# Altium PCB TinyShuffle v.0b.PcbDoc (part 2 of 2)
Units mm, origin at the board's own origin, x right, y up, seen from the top; angles counter-clockwise.
Board outline 40 x 90 mm, 4 copper layers (Top Layer, GND, VCC, Bottom Layer), stack 1.561 mm thick; 110 components, 55 nets, 394 pads, 331 vias.
Unrouted connection lines stored in the file: 21.
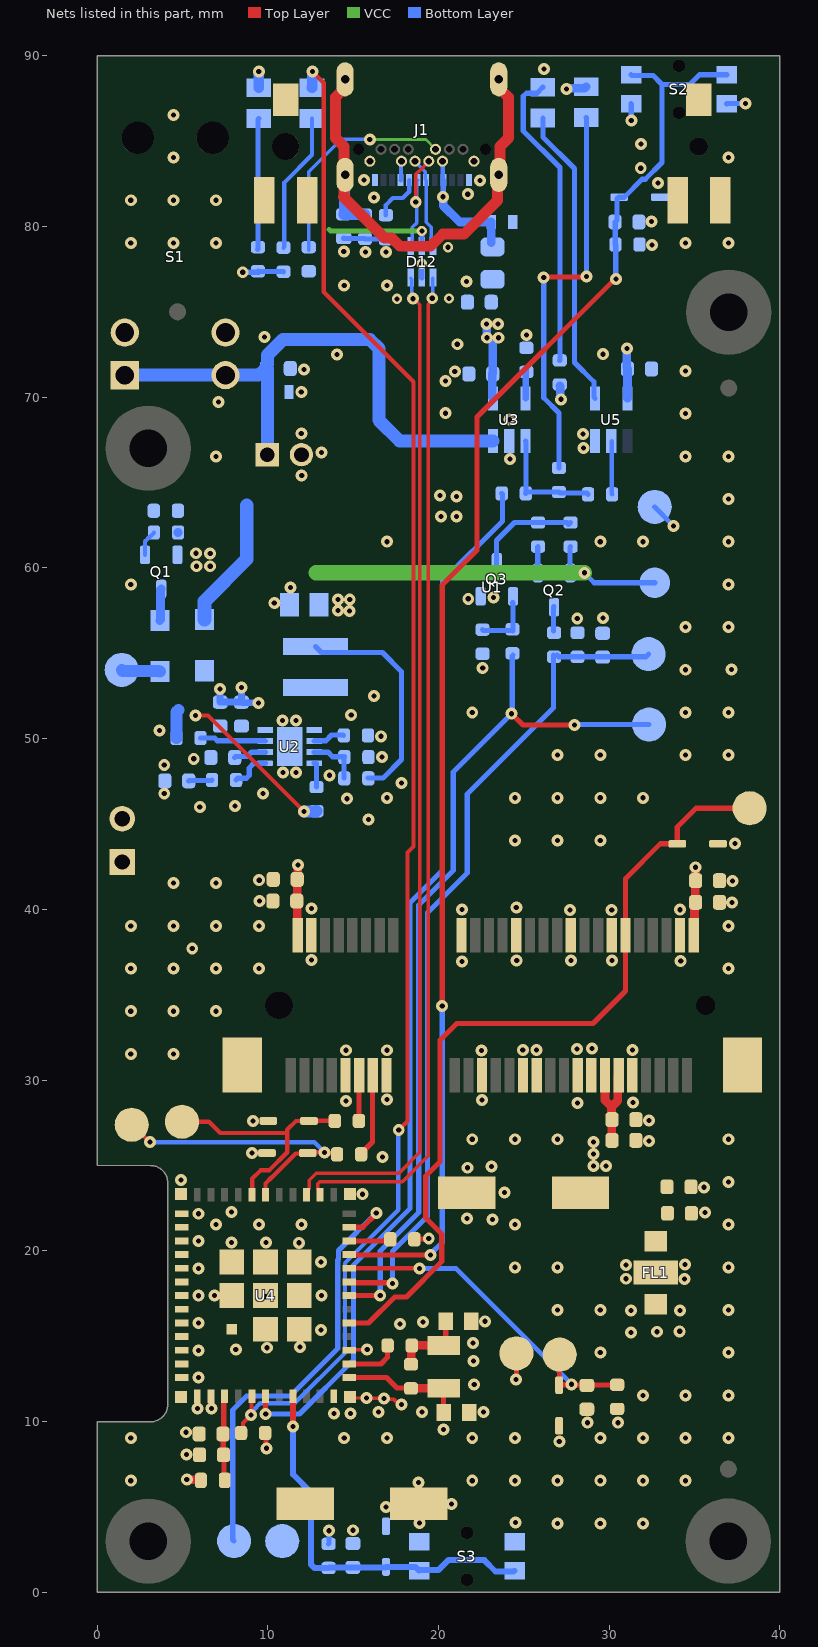
[diagram p4: the nets of this part, all layers, seen from the top]

## Part data (continued)
U3: library part MCP73831-2-OT, "IC BATT CNTL LI-ION 1CEL SOT23-5", Manufacturer="Microchip Technology", Generic Part=no, MPN=MCP73831T-2ACI/OT
U4: "Bluetooth, WiFi 802.11b/g/n, Bluetooth v5.0 Transceiver Module 2.412GHz ~ 2.484GHz PCB Trace Surface Mount", Manufacturer="Espressif Systems", Package="SMD-53 Espressif Systems", Availability="In Stock", Check_prices=https://www.snapeda.com/parts/ESP32-C3-MINI-1-N4/Espressif+Systems/view-part/?ref=eda, MPN=ESP32-C3-MINI-1-N4, Price=None, Purchase-URL=https://pricing.snapeda.com/search/part/ESP32-C3-MINI-1-N4/?ref=eda, SnapEDA_Link=https://www.snapeda.com/parts/ESP32-C3-MINI-1-N4/Espressif+Systems/view-part/?ref=snap
U5: library part SN74LVC1G04DBVR, "Inverter IC 1 Channel - SOT-23-5", LCSC Part Number=C7827, Manufacturer="Texas Instruments", Mouser Part Number=595-SN74LVC1G04DBVR, Arrow Part Number=SN74LVC1G04DBVR, Arrow Price/Stock=https://www.arrow.com/en/products/sn74lvc1g04dbvr/texas-instruments, Datasheet Link=http://www.ti.com/lit/gpn/sn74lvc1g04, Height=1.45mm, ManufacturerPartNumber=SN74LVC1G04DBVR, Mouser Price/Stock=https://www.mouser.co.uk/ProductDetail/Texas-Instruments/SN74LVC1G04DBVR?qs=AMJt07B76utiScZvQx5a7w%3D%3D
Y1: "32.768kHz Â±20ppm Crystal 12.5pF 70 kOhms 2-SMD, No Lead", Manufacturer="Abracon LLC", MPN=ABS07-32.768KHZ, Package="SMD-2 Abracon", Availability=Unavailable, Price=None, SnapEDA_Link=https://www.snapeda.com/parts/ABS07-32.768KHZ/Abracon%20LLC/view-part/448682/?ref=snap

## Free pads (board coordinates)
  round 5 hole 2.2 mask-0.05: M(3,2.995) M(3,67) M(36.977,3) M(37,74.979)

## Via types
v1: diameter 0.7, hole 0.3, Top Layer to Bottom Layer, tented both sides, 325 vias
v2: diameter 0.6, hole 0.3, Top Layer to Bottom Layer, tented both sides, 5 vias
v3: diameter 0.7, hole 0.3, Top Layer to Bottom Layer, tented bottom, 1 vias

## Nets (pads, with @x,y where several pads share a name; then routed paths per layer and width w, separated by ;. In a path a pad name is that pad's centre, name@x,y a point inside that pad or via, vN(x,y) a via of type N, cw(c..) or ccw(c..) an arc to the next point about the centre after c; other vN are vias at no path point)
+3V3: C7.2 D12.5 FL1.1 L2.2 L3.2 R4.1 R19.1 R20.1 R23.2 R32.2 R33.2 S2.1 S2.3 TP3.1 TP11.1 | length 30.6
  Top Layer w0.3: R32.2@9.849,9.328 9.89,9.287 9.89,8.474 v1(9.931,8.433) ; R33.2@18.587,20.676 18.612,20.701 19.406,20.701 v1(19.431,20.726) ; v1(24.536,12.471) 24.562,12.471 TP11.1@24.562,13.995
  Top Layer w0.5: v1(5.258,6.604) 5.283,6.579 L3.2@6.068,6.579
  VCC w0.3: 13.589,79.832 13.691,79.731 v2(19.025,79.731)
  Bottom Layer w0.3: v1(8.534,77.318) 8.538,77.321 R20.1@9.471,77.321 ; R20.1@9.423,77.375 9.423,77.368 R20.1@9.471,77.321 ; R19.1@10.922,77.349 10.909,77.362 9.512,77.362 R20.1@9.471,77.321 ; L2.2@12.797,55.402 13.147,55.052 14.713,55.052 14.722,55.042 16.713,55.042 17.831,53.924 17.831,48.771 16.759,47.699 R4.1@15.87,47.699 ; R23.2@13.564,2.839 13.576,2.851 13.576,3.594 v1(13.589,3.607) ; D12.5@19.025,78.852 v2(19.025,79.731) ; S2.3@31.287,87.186 31.293,87.18 v1(31.293,86.208) ; TP3.1@32.664,63.576 32.664,63.564 33.757,62.471 v1(33.757,62.459) ; S2.1@36.887,87.186 36.899,87.198 v1(37.973,87.198)
  other v1: 31.284,15.21 32.808,15.261 34.129,15.286 31.284,16.505 34.154,16.505 14.778,57.478 14.117,57.504 14.117,58.139 14.803,58.139
BAT-EV: R13.1 TP5.1 U4.18 | length 51
  Top Layer w0.3: U4.18@14.769,17.376 U4.18@14.769,17.376 16.585,17.375 v1(16.586,17.374) ; v1(24.282,51.46) 24.951,50.792 v1(27.972,50.792)
  Bottom Layer w0.3: v1(16.586,17.374) 16.586,19.99 18.847,22.25 18.847,40.262 20.867,42.282 20.867,48.045 22.677,49.855 24.322,51.5 24.322,54.85 R13.1@24.362,54.889 ; v1@27.915,50.8 27.94,50.825 TP5.1@32.334,50.825
BAT-RV: C18.2 R12.1 R16.1 TP4.1 U4.19 | length 48.7
  Top Layer w0.3: U4.19@14.769,18.176 14.814,18.13 17.252,18.13 v1(17.297,18.085)
  Bottom Layer w0.3: v1(17.297,18.085) 17.297,19.964 19.355,22.022 19.355,39.805 21.687,42.137 21.687,46.759 26.728,51.801 R12.1@26.728,54.884 ; R12.1@26.959,54.884 26.959,54.869 27.034,54.794 32.149,54.794 TP4.1@32.304,54.949
BOOT: TP10.1 U4.23 | length 26.1
  Top Layer w0.305: U4.23@14.769,21.376 15.559,21.376 v1@16.332,22.149
  Bottom Layer w0.305: TP10.1@8.026,3 7.953,3.073 7.953,10.682 8.767,11.496 11.318,11.496 14.099,14.277 14.099,19.456 14.148,19.505 14.148,20.015 v1(16.358,22.225)
CHG_FULL: D11.C U5.4 | length 17.7
  Bottom Layer w0.3: D11.C@26.111,86.349 26.111,85.242 27.965,83.388 27.965,72.034 29.099,70.901 29.099,70.001 U5.4@29.167,69.933
EN: C24.1 D10.K R23.1 S3.2 S3.4 U4.8 | length 23
  Top Layer w0.35: U4.8@11.469,11.476 11.475,11.47 11.475,9.709 v1(11.481,9.703)
  Bottom Layer w0.35: v1(11.481,9.703) 11.481,6.909 12.522,5.867 12.522,1.634 12.727,1.429 R23.1@13.564,1.429 13.579,1.444 14.971,1.444 C24.1@14.986,1.459 16.897,1.459 D10.K@16.925,1.487 18.641,1.487 S3.2@18.866,1.262 18.901,1.297 19.991,1.297 20.574,1.88 22.682,1.88 23.341,1.221 24.38,1.221 24.421,1.262 S3.4@24.466,1.262
GND: C1.2 C2.1 C3.1 C4.1 C5.1 C6.1 C7.1 C8.2 C9.1 C10.1 C11.1 C12.2 C13.1 C14.1 C15.1 C16.1 C17.1 C18.1 C19.2 C20.2 C21.2 C22.2 C23.2 C24.2 C25.2 C26.2 C27.2 C28.1 D4.A D5.A D6.A D8.A D9.C D10.A D12.2 D13.2 D14.A D15.2 FL1.2 J1.A1 J1.A12 J1.B1 J1.B12 J2.2 P1.1 P1.2 Q3.2 R5.1 R7.2 R9.1 R14.1 R15.1 R16.2 R17.1 R18.1 R21.1 R30.1 R31.1 S3.1 S3.3 TP12.1 U1.4 U1.9 U1.15 U1.18 U1.21 U1.26 U1.27 U1.29 U1.34 U1.35 U1.37 U1.40 U1.43 U1.50 U1.53 U1.54 U1.S1_1 U1.S1_2 U1.S1_3 U1.S2_1 U1.S2_2 U1.S2_3 U2.9 U3.2 U4.1 U4.2 U4.11 U4.14 U4.36 U4.37 U4.38 U4.39 U4.40 U4.41 U4.42 U4.43 U4.44 U4.45 U4.46 U4.47 U4.48 U4.49_1 U4.49_2 U4.49_3 U4.49_4 U4.49_5 U4.49_6 U4.49_7 U4.49_8 U4.49_9 U4.50 U4.51 U4.52 U4.53 U5.3 | length 12.8
  Top Layer w0.203: U4.14@14.769,14.176 14.793,14.2 15.8,14.2 v1(15.824,14.224) ; U4.52@14.819,11.426 14.865,11.379 v1(15.773,11.379) 15.787,11.366 16.738,11.366 16.81,11.293 17.394,11.293 17.691,10.996 v1(17.826,10.996)
  Top Layer w0.3: U1.35@28.003,30.097 28.153,30.247 U1.35@28.153,30.282 ; U1.35@28.153,30.097 28.153,30.132 U1.35@28.303,30.282 ; U1.37@28.916,30.246 U1.37@28.953,30.282
  Bottom Layer w0.305: C19.2@14.453,79.31 14.468,79.295 15.682,79.295 15.71,79.267 16.904,79.267 R18.1@16.916,79.254 ; D12.2@19.02,76.975 19.025,76.98 v2@19.025,77.673
  Bottom Layer w0.406: v1(7.214,52.908) C8.2@7.214,52.135 C9.1@8.458,52.135 ; v1(8.458,52.984) C9.1@8.458,52.135 ; v1(9.449,52.095) 9.442,52.102 8.567,52.102 8.56,52.11 8.484,52.11 C9.1@8.458,52.135
  Bottom Layer w0.635: D9.C@9.474,88.124 v1(9.474,89.078)
  other v1: 14.986,3.632 26.978,4.035 29.478,4.035 31.978,4.035 18.898,4.064 24.511,4.089 16.916,4.991 20.752,5.169 18.821,6.439 1.978,6.535 21.978,6.535 24.478,6.535 26.978,6.535 29.478,6.535 31.978,6.535 34.478,6.535 5.232,8.077 27.076,8.839 1.978,9.035 14.478,9.035 16.978,9.035 21.978,9.035 24.478,9.035 29.478,9.035 31.978,9.035 34.478,9.035 36.978,9.035 5.207,9.373 20.295,9.525 28.727,9.931 30.505,9.931 13.871,10.468 14.836,10.468 16.48,10.564 19.045,10.564 22.626,10.564 5.887,10.755 6.7,10.755 16.81,11.352 31.978,11.535 34.478,11.535 36.978,11.535 22.093,12.165 5.939,12.571 22.042,13.536 29.478,14.035 36.978,14.035 5.939,14.171 8.128,14.224 9.952,14.324 11.881,14.362 22.017,14.603 13.119,15.368 17.752,15.706 5.939,15.771 19.098,15.833 22.728,15.873 26.978,16.535 29.478,16.535 36.978,16.535 5.939,17.371 13.157,17.374 6.878,17.384 34.417,18.339 30.988,18.364 5.939,18.971 24.478,19.035 26.978,19.035 36.978,19.035 30.988,19.177 34.442,19.202 13.119,19.355 11.831,20.47 7.868,20.485 9.901,20.496 5.939,20.571 6.978,21.535 9.478,21.535 11.978,21.535 24.478,21.535 36.978,21.535 23.165,21.844 21.666,21.895 5.939,22.171 35.606,22.248 7.868,22.285 15.541,23.316 23.876,23.419 35.555,23.722 36.978,24.035 4.928,24.155 21.692,24.867 23.114,24.943 16.712,25.501 9.068,25.73 32.329,26.439 21.978,26.535 24.478,26.535 26.978,26.535 36.978,26.535 9.144,27.61 32.329,27.633 28.138,28.649 31.394,28.677 14.575,28.776 22.55,28.827 16.988,28.852 1.978,31.535 4.478,31.535 22.525,31.723 14.575,31.748 16.988,31.748 24.938,31.773 25.751,31.773 31.364,31.773 28.113,31.824 29.002,31.85 1.978,34.035 4.478,34.035 6.978,34.035 1.978,36.535 4.478,36.535 6.978,36.535 9.478,36.535 36.978,36.535 21.382,36.955 34.188,36.982 24.582,37.006 27.757,37.006 30.17,37.006 12.568,37.031 5.578,37.718 1.978,39.035 4.478,39.035 6.978,39.035 9.478,39.035 36.978,39.035 27.706,39.952 30.145,39.952 34.138,39.98 21.382,40.003 12.568,40.054 24.557,40.105 37.186,40.411 9.525,40.488 4.478,41.535 6.978,41.535 37.211,41.656 9.5,41.707 37.363,43.866 24.478,44.035 26.978,44.035 29.478,44.035 15.9,45.263 6.02,45.999 8.077,46.05 14.63,46.482 16.978,46.535 24.478,46.535 26.978,46.535 29.478,46.535 31.978,46.535 3.937,46.787 9.728,46.787 17.826,47.394 13.614,47.854 10.888,48.008 11.658,48.008 3.937,48.463 5.664,48.819 16.689,48.918 26.978,49.035 29.478,49.035 34.478,49.035 36.978,49.035 16.638,50.138 3.658,50.47 10.853,51.058 11.649,51.058 14.888,51.393 21.978,51.535 34.478,51.535 36.978,51.535 16.226,52.5 34.478,54.035 37.17,54.06 22.59,54.136 34.478,56.535 36.978,56.535 28.127,57.031 29.626,57.057 10.384,57.935 21.742,58.191 23.216,58.268 11.328,58.852 1.978,59.035 36.978,59.035 16.978,61.535 29.478,61.535 31.978,61.535 36.978,61.535 36.978,64.035 11.989,65.405 24.199,66.371 6.978,66.535 34.478,66.535 36.978,66.535 13.152,66.749 28.492,67.032 28.466,67.845 11.963,67.869 24.148,68.683 34.478,69.035 20.417,69.061 7.107,69.721 11.963,70.307 20.422,70.942 20.955,71.501 34.478,71.535 12.116,71.628 14.067,72.49 29.642,72.517 21.102,73.099 9.799,73.531 25.146,73.635 14.478,76.535 16.978,76.535 21.641,76.784 15.723,78.511 16.916,78.511 14.453,78.537 32.512,78.918 1.978,79.035 4.478,79.035 6.978,79.035 34.478,79.035 36.978,79.035 32.487,80.289 1.978,81.535 4.478,81.535 6.978,81.535 16.231,81.686 21.717,81.89 32.868,82.55 22.428,82.702 15.646,82.728 31.847,83.412 4.478,84.035 36.978,84.035 31.872,84.834 4.478,86.535 26.182,89.228
  other v2: 17.567,75.758 20.615,75.784 19.014,77.816 20.564,78.781
  other v3: 9.876,17.321
MODEM: D14.K TP6.1 U1.42 U4.16 | length 48.8
  Top Layer w0.3: U4.16@14.769,15.776 15.907,15.776 17.434,17.302 18.126,17.302 20.193,19.369 20.193,20.018 20.193,20.981 19.253,21.92 19.253,24.384 20.091,25.222 20.091,32.337 21.072,33.318 29.051,33.318 30.953,35.22 U1.42@30.953,38.482 30.953,41.799 32.995,43.84 D14.K@33.989,43.84 33.985,43.844 33.985,44.831 35.077,45.923 TP6.1@38.227,45.923
MODEM_RX: D6.K R2.1 TP8.1 U4.31 | length 14.4
  Top Layer w0.254: TP8.1@4.978,27.559 6.553,27.559 7.216,26.897 11.146,26.897 ; U4.31@9.069,23.276 9.088,23.295 9.088,24.23 9.571,24.712 10.079,24.712 11.146,25.779 11.146,26.897 ; R2.1@13.925,27.61 R2.1@13.925,27.61 12.413,27.609 D6.K@12.412,27.608 11.654,27.608 11.146,27.1 11.146,26.897
MODEM_TX: D4.K R6.1 TP7.1 U4.30 | length 17.6
  Top Layer w0.254: TP7.1@2.032,27.381 2.061,27.381 3.075,26.367 v1(3.104,26.367) ; U4.30@9.869,23.276 9.868,23.94 10.237,24.308 10.246,24.308 11.636,25.698 12.305,25.698 D4.K@12.336,25.728 12.374,25.766 13.325,25.766 13.38,25.711 14.001,25.711 R6.1@14.059,25.654
  Bottom Layer w0.254: v1(3.104,26.367) 12.727,26.367 v1(13.325,25.768)
NetC10_2: C10.2 U2.2 | length 1.9
  Bottom Layer w0.305: C10.2@8.066,48.895 8.117,48.946 8.785,48.946 9.048,49.208 U2.2@9.85,49.208
NetC11_2: C11.2 R8.1 | length 1.4
  Bottom Layer w0.305: C11.2@5.374,47.523 5.399,47.549 6.712,47.549 R8.1@6.737,47.574
NetC19_1: C19.1 J1.SH1 J1.SH2 J1.SH3 J1.SH4 R31.2 | length 29.9
  Top Layer w0.635: J1.SH3@14.531,88.62 14.531,88.131 13.964,87.564 13.964,85.183 14.461,84.686 14.461,83.09 J1.SH1@14.531,83.02 14.461,82.95 14.461,81.75 14.438,81.727 16.836,79.329 17.255,79.329 17.742,78.842 19.539,78.842 20.246,79.548 21.493,79.548 23.461,81.517 23.461,82.95 23.601,83.09 23.601,84.686 24.099,85.183 24.099,87.564 23.531,88.131 J1.SH4@23.531,88.62
  Bottom Layer w0.635: C19.1@14.453,80.71 14.463,80.7 15.687,80.7 R31.2@15.697,80.69 ; C19.1@14.459,80.71 14.492,80.743 14.492,82.981 J1.SH1@14.531,83.02
NetC26_1: C26.1 R25.2 U4.12 Y1.2 | length 7.2
  Top Layer w0.3: U4.12@14.769,12.576 16.96,12.576 17.574,11.961 18.372,11.961 R25.2@18.39,11.944
  Top Layer w0.305: C26.1@20.302,10.539 20.302,11.943 Y1.2@20.315,11.956
  Top Layer w0.5: R25.2@18.39,11.944 18.396,11.95 20.309,11.95 Y1.2@20.315,11.956
NetC27_1: C27.1 R25.1 R26.1 Y1.1 | length 4.4
  Top Layer w0.305: Y1.1@20.322,14.449 20.505,14.633 20.429,14.709 C27.1@20.429,15.873
  Top Layer w0.5: R25.1@18.39,13.354 18.412,13.377 18.412,14.288 18.455,14.33 18.455,14.451 18.436,14.451 R26.1@18.434,14.453 ; R26.1@18.464,14.46 19.295,14.46 ; Y1.1@19.38,14.449 Y1.1@20.322,14.449
NetD2_1: D2.1 Q1.3 | length 1.9
  Bottom Layer w0.508: D2.1@3.683,56.923 3.721,56.961 3.721,58.728 Q1.3@3.759,58.766
NetD3_A: D3.A R19.2 | length 8.3
  Bottom Layer w0.254: R19.2@10.922,78.759 10.973,78.81 10.973,82.575 12.593,84.196 D3.A@12.593,86.322
NetD7_C: D7.C R22.2 | length 23.4
  Top Layer w0.305: v1(26.162,77.013) 26.187,77.038 28.651,77.038 v1(28.677,77.064)
  Bottom Layer w0.305: v1(26.162,77.013) 26.162,69.969 27.051,69.08 R22.2@27.051,65.856 ; D7.C@28.651,86.385 28.677,86.36 v1(28.677,77.064)
NetD9_A: D9.A R20.2 | length 7.7
  Bottom Layer w0.305: R20.2@9.393,78.656 9.423,78.686 9.423,86.273 D9.A@9.474,86.324
NetD11_A: D11.A R24.2 | length 17.7
  Bottom Layer w0.305: D11.A@26.111,88.149 25.764,87.801 25.147,87.801 24.968,87.623 24.968,85.598 27.12,83.446 27.12,72.173 R24.2@27.102,72.155
NetJ1_A5: J1.A5 R18.2 | length 3
  Bottom Layer w0.254: R18.2@16.916,80.664 16.918,80.666 16.918,81.256 17.325,81.663 17.911,81.663 18.281,82.033 J1.A5@18.281,82.71
NetJ1_B5: J1.B5 R30.2 | length 12.9
  VCC w0.152: v1(15.977,85.09) 19.261,85.09 J1.B5@19.831,84.52
  Bottom Layer w0.2: R30.2@12.399,78.618 12.399,83.214 14.294,85.11 v1@15.845,85.11
NetQ1_1: Q1.1 R1.2 | length 1.5
  Bottom Layer w0.254: Q1.1@2.809,60.766 2.809,61.553 3.078,61.822 3.105,61.822 3.334,62.051 R1.2@3.334,62.078
NetQ2_1: Q2.1 R11.1 | length 1.5
  Bottom Layer w0.3: Q2.1@25.806,59.733 25.811,59.738 25.811,61.228 R11.1@25.827,61.244
NetQ2_3: Q2.3 R12.2 | length 1.5
  Bottom Layer w0.3: R12.2@26.728,56.294 26.742,56.308 26.742,57.719 Q2.3@26.756,57.733
NetQ3_1: Q3.1 R13.2 R17.2 | length 3.5
  Bottom Layer w0.3: R17.2@22.581,56.382 22.622,56.341 24.321,56.341 R13.2@24.357,56.304 ; Q3.1@24.353,57.962 24.357,57.957 R13.2@24.357,56.304 ; R13.2@24.362,56.299 R13.2@24.357,56.304
NetQ3_3: Q3.3 R10.1 R11.2 | length 6.5
  Bottom Layer w0.3: Q3.3@23.403,59.962 23.403,61.603 24.453,62.654 27.514,62.654 27.623,62.545 R10.1@27.732,62.654
NetR2_2: R2.2 U1.11 | length 2.7
  Top Layer w0.305: R2.2@15.335,27.61 15.344,27.619 15.344,30.273 U1.11@15.353,30.282
NetR4_2: R4.2 R7.1 U2.7 | length 3.1
  Bottom Layer w0.305: U2.7@12.72,49.208 13.523,49.208 13.787,48.944 14.485,48.944 14.473,48.931 14.473,47.712 R4.2@14.46,47.699
NetR6_2: R6.2 U1.13 | length 4.9
  Top Layer w0.305: R6.2@15.469,25.654 15.469,25.709 16.135,26.376 16.135,30.265 U1.13@16.153,30.282
NetR8_2: R8.2 U2.1 | length 2.4
  Bottom Layer w0.305: R8.2@8.147,47.574 8.247,47.674 8.737,47.674 8.915,47.852 8.915,48.285 9.166,48.536 9.828,48.536 U2.1@9.85,48.558
NetR9_2: R9.2 U2.6 | length 1.9
  Bottom Layer w0.305: U2.6@12.72,49.858 12.743,49.881 13.403,49.881 13.736,50.214 14.409,50.214 R9.2@14.435,50.188
NetR21_2: R21.2 U3.5 | length 1.7
  Bottom Layer w0.381: U3.5@25.098,69.933 25.107,69.941 25.107,71.598 R21.2@25.116,71.607
NetR26_2: R26.2 U4.13 | length 3.1
  Top Layer w0.305: U4.13@14.769,13.377 16.625,13.377 17.019,13.77 17.019,14.424 R26.2@17.045,14.451
NetR27_2: R27.2 U5.2 | length 3.1
  Bottom Layer w0.2: U5.2@30.117,67.433 U5.2@30.139,67.412
  Bottom Layer w0.254: U5.2@30.139,67.412 30.139,64.343 R27.2@30.169,64.313
NetR28_1: R28.1 U4.6 | length 61.9
  Top Layer w0.3: U4.6@9.869,11.459 9.869,10.439 v1(9.881,10.439)
  Bottom Layer w0.3: v1(9.881,10.439) 11.859,10.439 15.011,13.592 15.011,19.157 18.323,22.469 18.323,40.375 20.239,42.29 20.239,59.228 23.748,62.737 23.748,64.32 R28.1@23.704,64.364
NetR29_1: R29.1 U2.8 | length 1.5
  Bottom Layer w0.305: U2.8@12.72,48.558 12.83,48.558 12.852,48.536 R29.1@12.852,47.162
NetR33_1: R33.1 U4.22 | length 2.4
  Top Layer w0.305: U4.22@14.769,20.576 17.077,20.576 R33.1@17.177,20.676
P_EN: R3.1 U2.3 | length 3.9
  Bottom Layer w0.305: R3.1@6.064,50.038 6.072,50.031 6.891,50.031 7.041,49.881 9.828,49.881 U2.3@9.85,49.858
PAIRING: C16.2 D5.K R14.2 S2.2 S2.4 U4.21 | length 85.4
  Top Layer w0.3: U4.21@14.769,19.776 14.782,19.762 19.53,19.762 v1(19.543,19.749) ; v1(20.218,34.341) 20.218,59.004 22.25,61.036 22.25,68.837 30.324,76.911 v1(30.404,76.911)
  Bottom Layer w0.3: v1@19.558,19.837 20.218,20.498 v1(20.218,34.341) ; C16.2@30.339,80.264 C16.2@30.352,80.251 ; v1(30.404,76.911) 30.385,76.93 30.385,78.924 30.352,78.957 C16.2@30.352,80.251 ; S2.4@31.287,88.886 31.324,88.849 32.563,88.849 33.096,88.316 ; S2.2@36.887,88.886 36.883,88.883 35.289,88.883 34.722,88.316 33.096,88.316 ; C16.2@30.352,80.251 30.462,80.361 30.462,81.632 30.542,81.712 30.875,81.712 31.925,82.762 32.116,82.762 33.096,83.742 33.096,88.316
STAT: R22.1 R27.1 R28.2 U3.1 | length 6.8
  Bottom Layer w0.3: U3.1@25.098,67.433 25.128,67.403 25.128,64.378 R28.2@25.114,64.364 ; R28.2@25.128,64.446 R22.1@27.051,64.446 27.118,64.379 28.692,64.379 R27.1@28.759,64.313
SW: L2.1 U2.5
USB_N: D12.1 U4.26 | length 59.4
  Top Layer w0.2: U4.26@13.069,23.276 13.069,23.476 12.916,23.628 12.916,23.932 13.034,24.049 17.89,24.049 19.409,25.567 19.409,75.433 19.634,75.658 v1(19.634,75.794)
  Bottom Layer w0.2: v1(19.634,75.794) 19.654,75.814 19.654,76.96 D12.1@19.67,76.975
USB_P: D12.3 U4.27 | length 59.5
  Top Layer w0.2: U4.27@12.269,23.276 12.269,23.476 12.422,23.628 12.422,24.137 12.829,24.544 17.686,24.544 18.914,25.772 18.914,75.412 18.558,75.768 v1(18.517,75.768)
  Bottom Layer w0.2: D12.3@18.37,76.975 18.446,76.899 18.446,75.839 v1(18.517,75.768)
USBC_N: D12.6 J1.A7 J1.B7 | length 5.4
  Bottom Layer w0.2: J1.B7@18.638,83.82 18.638,83.8 19.23,83.208 19.23,82.761 J1.A7@19.281,82.71 19.281,80.252 19.575,79.958 19.575,79.394 19.575,79.277 19.67,79.182 D12.6@19.67,78.825
USBC_P: D12.4 J1.A6 J1.B6 | length 6.8
  Top Layer w0.2: v1(18.669,81.432) 18.669,83.058 18.856,83.245 18.869,83.245 19.431,83.807 J1.B6@19.431,83.82
  Bottom Layer w0.2: D12.4@18.37,78.825 18.475,78.93 18.475,79.958 18.72,80.204 18.72,81.382 v1(18.669,81.432) 18.725,81.488 18.725,82.654 J1.A6@18.781,82.71
USER: D3.C R32.1 U4.5 | length 89.7
  Top Layer w0.254: R32.1@8.439,9.328 8.548,9.436 8.548,9.919 9.043,10.415 9.043,11.45 U4.5@9.069,11.476 ; v1(12.619,89.076) 13.284,88.411 13.284,76.162 18.537,70.909 18.537,43.679 18.186,43.329 18.186,27.587 v1(17.673,27.074)
  Bottom Layer w0.254: v1(9.017,10.389) 9.017,10.509 9.373,10.865 9.373,10.887 9.553,11.066 11.574,11.066 14.529,14.021 14.529,19.279 17.653,22.403 v1@17.653,27.102
  Bottom Layer w0.635: D3.C@12.593,88.122 12.606,88.135 12.606,89.063 v1(12.619,89.076)
V_USB: C6.2 C20.1 C28.2 D1.1 D7.A L1.1 R1.1 R5.2 R24.1 U3.4 U5.5 | length 16.6
  Bottom Layer w0.5: R1.1@4.744,62.078 4.744,62.059 R1.1@4.749,62.054 ; v1(22.809,74.295) 22.822,74.282 22.822,73.495 v1(22.835,73.482) v1@22.835,73.428 ; 23.171,73.091 23.171,71.546 23.184,71.533 23.184,71.396 23.148,71.361 23.148,69.983 U3.4@23.198,69.933 ; R24.1@27.102,70.669 27.106,70.669 27.14,70.635 27.14,69.914 v1(27.178,69.875) ; v1(27.508,88.047) 27.546,88.086 28.551,88.086 D7.A@28.651,88.185 ; C20.1@31.028,71.759 31.028,72.84 v1(31.034,72.845) ; U5.5@31.067,69.933 31.071,69.937 31.071,71.649 C20.1@31.075,71.653
  Bottom Layer w0.8: D1.1@6.299,56.974 6.299,58.039 8.763,60.503 8.763,63.652
  other v1: 20.137,63.015 21.052,63.015 21.052,64.184 20.086,64.235 23.52,73.482 23.495,74.295
VBAT: Q1.2 Q2.2 R10.2 S1.2 S1.4 TP1.1 | length 22.4
  VCC w0.889: 12.827,59.713 v1(28.545,59.713)
  Bottom Layer w0.3: Q2.2@27.706,59.733 27.706,61.218 R10.2@27.732,61.244 ; v1(28.545,59.713) 29.127,59.131 TP1.1@32.664,59.131
  Bottom Layer w0.635: Q2.2@27.726,59.713 v1(28.545,59.713)
  other v1: 5.817,60.096 6.629,60.096 6.629,60.833 5.791,60.858
VBAT_IN: C21.1 D15.1 J2.1 S1.1 S1.3 U3.3 | length 32.9
  Bottom Layer w0.762: S1.1@1.626,71.287 9.467,71.287 9.805,71.625 9.913,71.625 9.917,71.629 C21.1@9.917,71.679 ; C21.1@9.921,71.673 9.921,71.851 9.973,71.903 9.973,72.458 10.885,73.371 15.991,73.371 16.504,72.858 16.504,68.656 17.726,67.433 U3.3@23.198,67.433 ; J2.1@9.973,66.633 9.973,70.307 C21.1@9.973,71.673
VBUS_USB: D13.1 J1.A4 J1.A9 J1.B4 J1.B9 L1.2 | length 8.3
  Top Layer w0.254: J1.B9@17.768,83.757 J1.B9@17.831,83.82
  Bottom Layer w0.254: J1.A4@17.781,82.71 17.806,82.735 17.806,83.795 J1.B9@17.831,83.82 ; J1.B4@20.231,83.82 20.256,83.795 20.256,82.735 J1.A9@20.281,82.71
  Bottom Layer w0.305: v1@20.281,81.725 J1.A9@20.281,82.71
  Bottom Layer w0.508: v1@20.281,81.725 20.281,81.217 21.24,80.258 D13.1@23.099,80.258 L1.2@23.099,79.04
  other v1: 20.269,81.737
VESP: C22.1 C23.1 C25.1 L3.1 U4.3 | length 5
  Top Layer w0.305: U4.3@7.469,11.476 7.425,11.431 7.425,9.315 C25.1@7.38,9.271 7.393,9.258 7.393,8.09 7.431,8.052 7.431,6.604 L3.1@7.482,6.553
VIN: C8.1 C9.2 D1.2 D2.2 R3.2 R29.2 TP2.1 U2.4 | length 13.4
  Top Layer w0.254: v1(5.766,51.359) 6.502,51.359 11.916,45.945 11.916,45.938 v1(12.116,45.739)
  Bottom Layer w0.7: TP2.1@1.448,54.026 1.499,53.974 3.632,53.974 D2.2@3.683,53.923 ; R3.2@4.654,50.038 4.654,51.568 4.775,51.689 ; v1(12.116,45.739) 12.118,45.742 12.787,45.742 12.797,45.752 R29.2@12.852,45.752
Vmodem: C1.1 C2.2 C3.2 C4.2 C5.2 C12.1 C13.2 C14.2 C15.2 FL1.3 U1.2 U1.39 U1.41 U1.52 | length 14.2
  Top Layer w0.508: U1.2@11.753,38.482 11.726,38.509 11.726,40.46 C12.1@11.698,40.488 11.698,40.592 11.724,40.618 11.724,41.707 11.755,41.738 11.755,42.59 v1(11.76,42.596) ; U1.39@29.753,30.282 29.753,28.813 30.131,28.435 30.131,28.409 ; C3.2@30.156,26.49 30.156,27.709 30.131,27.735 30.131,28.409 ; U1.41@30.553,30.282 30.507,30.236 30.507,28.786 30.131,28.409 ; U1.52@34.953,38.482 34.993,38.522 34.993,40.369 35.046,40.422 35.046,41.641 35.058,41.654 35.053,41.66 35.053,42.461 v1(35.047,42.467)
  other v1: 29.083,24.968 29.82,24.968 29.083,25.679 29.083,26.365
WAKEUP: C17.2 D8.K R15.2 TP9.1 U4.20 | length 21.2
  Top Layer w0.254: U4.20@14.769,18.976 18.946,18.976 v1@18.948,18.974 ; D8.K@27.086,12.151 D8.K@27.063,12.128 27.082,12.147 27.082,13.9 TP9.1@27.102,13.919
  Top Layer w0.3: D8.K@27.086,12.151 27.09,12.155 27.772,12.155 v1(27.8,12.182) 27.831,12.151 C17.2@28.688,12.151 ; C17.2@28.689,12.151 R15.2@30.467,12.151
  Bottom Layer w0.3: v1(18.878,18.973) 21.009,18.973 v1(27.8,12.182)
pads on no net: Fid1.0 Fid2.0 Fid3.0 J1. J1.A2 J1.A3 J1.A8 J1.A10 J1.A11 J1.B2 J1.B3 J1.B8 J1.B10 J1.B11 S1. S2. S3. U1. U1.1 U1.3 U1.5 U1.6 U1.7 U1.8 U1.10 U1.12 U1.14 U1.16 U1.17 U1.19 U1.20 U1.22 U1.23 U1.24 U1.25 U1.28 U1.30 U1.31 U1.32 U1.33 U1.36 U1.38 U1.44 U1.45 U1.46 U1.47 U1.48 U1.49 U1.51 U4.4 U4.7 U4.9 U4.10 U4.15 U4.17 U4.24 U4.25 U4.28 U4.29 U4.32 U4.33 U4.34 U4.35 U5.1

## Polygon pours and split planes (outlines as drawn)
VBUS_USB on VCC "Gnd1" (solid, remove dead copper, pour order 0): 17.201,84.29 17.201,81.47 20.861,81.47 20.861,84.29
+3V3 on VCC "Gnd1" (solid, remove dead copper, pour order 14): 0.431,89.281 39.492,89.281 39.492,0.608 0.431,0.608
Vmodem on VCC "Gnd1" (solid, remove dead copper, pour order 13): 10.917,43.203 10.947,31.445 12.702,29.691 28.646,29.691 28.646,23.017 30.759,20.905 34.849,20.905 35.784,21.839 35.784,42.269 34.849,43.203
V_USB on VCC "Gnd1" (solid, remove dead copper, pour order 7): 27.026,88.492 27.026,75.082 23.063,75.082 19.705,71.725 19.705,62.609 31.166,62.609 32.248,63.691 32.248,73.313 30.478,75.082 28.016,75.082 28.016,88.492
VBAT on VCC "Gnd1" (solid, remove dead copper, pour order 5): 0.276,76.509 11.044,76.509 13.408,74.146 13.393,63.393 17.502,59.284 5.164,59.284 5.164,62.179 5.875,62.891 5.875,71.678 5.011,72.542 0.305,72.542
GND on VCC "Gnd1" (solid, remove dead copper, pour order 2): 15.24,83.317 15.24,75.387 20.779,75.414 22.809,77.445 22.809,83.281
GND on Bottom Layer "Gnd1" (solid, remove dead copper, pour order 15): 0.418,89.773 0.418,0.797 39.763,0.797 39.763,89.723
SW on Bottom Layer "Gnd1" (solid, remove dead copper, pour order 11): 12.255,51.483 10.897,52.501 10.897,53.502 14.96,53.502 14.96,52.502 13.406,50.947 13.406,50.333 12.255,50.333
+3V3 on Bottom Layer "Gnd1" (solid, remove dead copper, pour order 3): 10.871,55.648 10.871,54.648 14.727,54.648 15.489,54.648 15.489,59.028 12.416,59.028 12.416,56.64 10.866,56.64
GND on Top Layer "Gnd1" (solid, remove dead copper, pour order 10): 0.229,89.586 0.229,0.61 39.573,0.61 39.573,89.535
+3V3 on Top Layer "Gnd1" (solid, remove dead copper, pour order 9): 30.831,14.794 34.59,14.794 34.59,16.991 30.831,16.991
Vmodem on Top Layer "Gnd1" (solid, remove dead copper, pour order 4): 28.683,28.813 28.683,19.939 33.938,19.939 33.938,24.56 31.44,24.56 30.729,25.347 30.729,28.813
VESP on Top Layer "Gnd1" (solid, remove dead copper, pour order 6): 6.68,9.782 6.68,4.178 12.802,4.178 12.802,7.115 10.135,9.782
GND on GND "Gnd1" (solid, remove dead copper, pour order 12): 0,89.687 0,0.483 39.776,0.483 39.776,89.459

## Keep-outs
VCC:
  lines w0.254: 3.734,54.278 2.944,54.278 2.901,54.234 2.901,51.364 2.901,44.526 18.496,44.526 18.496,53.76 16.316,55.94
Bottom Layer:
  lines w0.254: 2.438,52.629 2.438,45.923 4.267,44.094 18.669,44.094 18.669,54.356 17.069,55.956 16.078,55.956 16.073,55.951
Keep-Out Layer:
  lines w0.05: 0,90 ccw(c0,90) 0,90 ; 0,90 ccw(c0,90) 0,90 ; 0,90 40,90 40,0 0,0 0,10 3.154,10 ccw(c3.154,10.978) 4.132,10.978 4.132,23.945 ccw(c3.077,23.945) 3.077,25 0,25 0,90 ; 0,90 0,90

## Other copper
Top Layer:
  region net GND: 7.34,14.847 8.084,14.847 8.084,15.21 7.703,15.591 7.34,15.591 7.34,15.955
  region net Vmodem: 28.683,24.598 28.683,22.185 30.246,22.185 30.246,24.598
  pour cut-out: 10.755,56.327 14.956,56.327 14.956,52.127 10.755,52.127
  text "TOP" at 31.493,0.81 h0.9
GND:
  pour cut-out: 10.729,56.411 14.93,56.411 14.93,52.144 10.736,52.144
  text "GND" at 31.569,0.81 h0.9
VCC:
  pour cut-out: 10.745,56.31 14.946,56.31 14.946,52.109 10.745,52.109
  text "VCC" at 31.518,0.759 h0.9
Bottom Layer:
  region net VBUS_USB: 20.777,81.813 21.488,81.102 22.93,81.102 23.374,80.658 23.368,80.653 23.368,79.045 21.208,79.045 19.99,80.263 19.99,81.813
  region net V_USB: 22.465,76.626 22.465,73.091 23.865,73.091 23.865,76.626
  region net VIN: 9.876,50.333 6.791,50.333 6.147,50.978 3.167,50.978 3.167,54.026 6.579,54.026 6.579,51.791 7.114,51.255 8.689,51.255 9.261,50.683 9.876,50.683
  region net VBAT: 5.182,59.745 4.684,60.243 4.684,61.141 4.859,61.316 6.985,61.316 6.985,59.745
  region net V_USB: 9.068,61.646 10.058,62.636 21.486,62.636 21.486,64.694 5.415,64.694 4.43,63.71 4.445,61.646
  pour cut-out: 10.866,54.902 10.866,53.502 15.464,53.502 15.464,54.902
  text "BOT" at 33.938,0.911 h0.9

## Silkscreen, mask and mechanical layers (free items; w line width, h text height)
Top Overlay:
  drawing of 17 lines, arcs and shapes, not listed
  text "Modem GPIO" at 38.603,47.394 h1 r90
  text "GND" at 4.851,41.935 h1.52 r90
  text "Rev 0.7" at 17.526,41.885 h1.2
  text "Swarm M138" at 18.669,34.138 h1
  text "UART_TX" at 5.334,32.563 h1 r90
  text "UART_RX" at 2.388,32.537 h1 r90
  text "ESP32" at 15.951,17.12 h1
  text "WAKEUP" at 28.499,13.513 h1
Bottom Overlay:
  drawing of 35 lines, arcs and shapes, not listed
  text "Pairing" at 38.354,83.16 h1
  text "PWR" at 9.063,80.211 h1 r270
  text "CHG" at 11.628,79.957 h1 r270
  text "USER" at 28.092,78.613 h1 r270
  text "CHG-FULL" at 25.959,76.251 h1 r270
  text "BAT IN" at 13.487,63.348 h1
  text "+3.3V" at 39.345,62.967 h1
  text "VBAT" at 38.837,58.598 h1
  text "BAT_RV" at 39.319,54.508 h1
  text "VIN" at 2.972,50.368 h1
  text "BAT_EV" at 39.37,50.241 h1
  text "Rev 0.7" at 21.946,10.363 h1
  text "EN(RST)" at 24.613,5.563 h1
  text "BOOT" at 11.024,4.724 h1
Board Shape:
  lines w0.1: 4.132,10.981 4.132,24.003 ccw(c3.14,24.003) 3.14,24.995 0,25 ; 4.133,10.981 cw(c3.142,10.981) 3.142,9.989 0,10 0,0 40,0 40,90 0,90 ; 0,25 ccw(c0,25) 0,25 ; 0,25 0,90 ; 0,90 ccw(c0,90) 0,90
Mechanical 2:
  lines w0.1: -93.901,98.694 -28.401,98.694 ; -77.901,100.694 -28.401,100.694
  text "EXT. ENCLOSURE" at -44.381,101.214 h0.5
  text "INT. ENCLOSURE" at -44.381,97.214 h0.5

## Text inside footprints (layer, text, board x,y; h text height)
J2: Bottom Overlay "+" at 10.273,67.716 h1; Bottom Overlay "-" at 12.273,67.633 h1
S2: Bottom Assembly (Mech12) "3" at 32.387,87.586 h0.61 r180; Bottom Assembly (Mech12) "4" at 32.387,89.086 h0.61 r180; Bottom Assembly (Mech12) "2" at 35.587,89.186 h0.61 r180; Bottom Assembly (Mech12) "1" at 35.587,87.586 h0.61 r180
S3: Bottom Assembly (Mech12) "3" at 23.366,2.562 h0.61; Bottom Assembly (Mech12) "4" at 23.366,1.062 h0.61; Bottom Assembly (Mech12) "2" at 20.166,0.962 h0.61; Bottom Assembly (Mech12) "1" at 20.166,2.562 h0.61
U1: Top Overlay "51" at 35.212,28.608 h0.8; Top Overlay "1" at 10.422,28.735 h0.8